# Altium PCB GPS.PcbDoc
Units mm, origin at the board's own origin, x right, y up, seen from the top; angles counter-clockwise.
Board outline 48 x 35 mm, 4 copper layers (Top Copper, GND, VCC, Bottom Copper), stack 1.57 mm thick; 9 components, 7 nets, 39 pads, 13 vias.
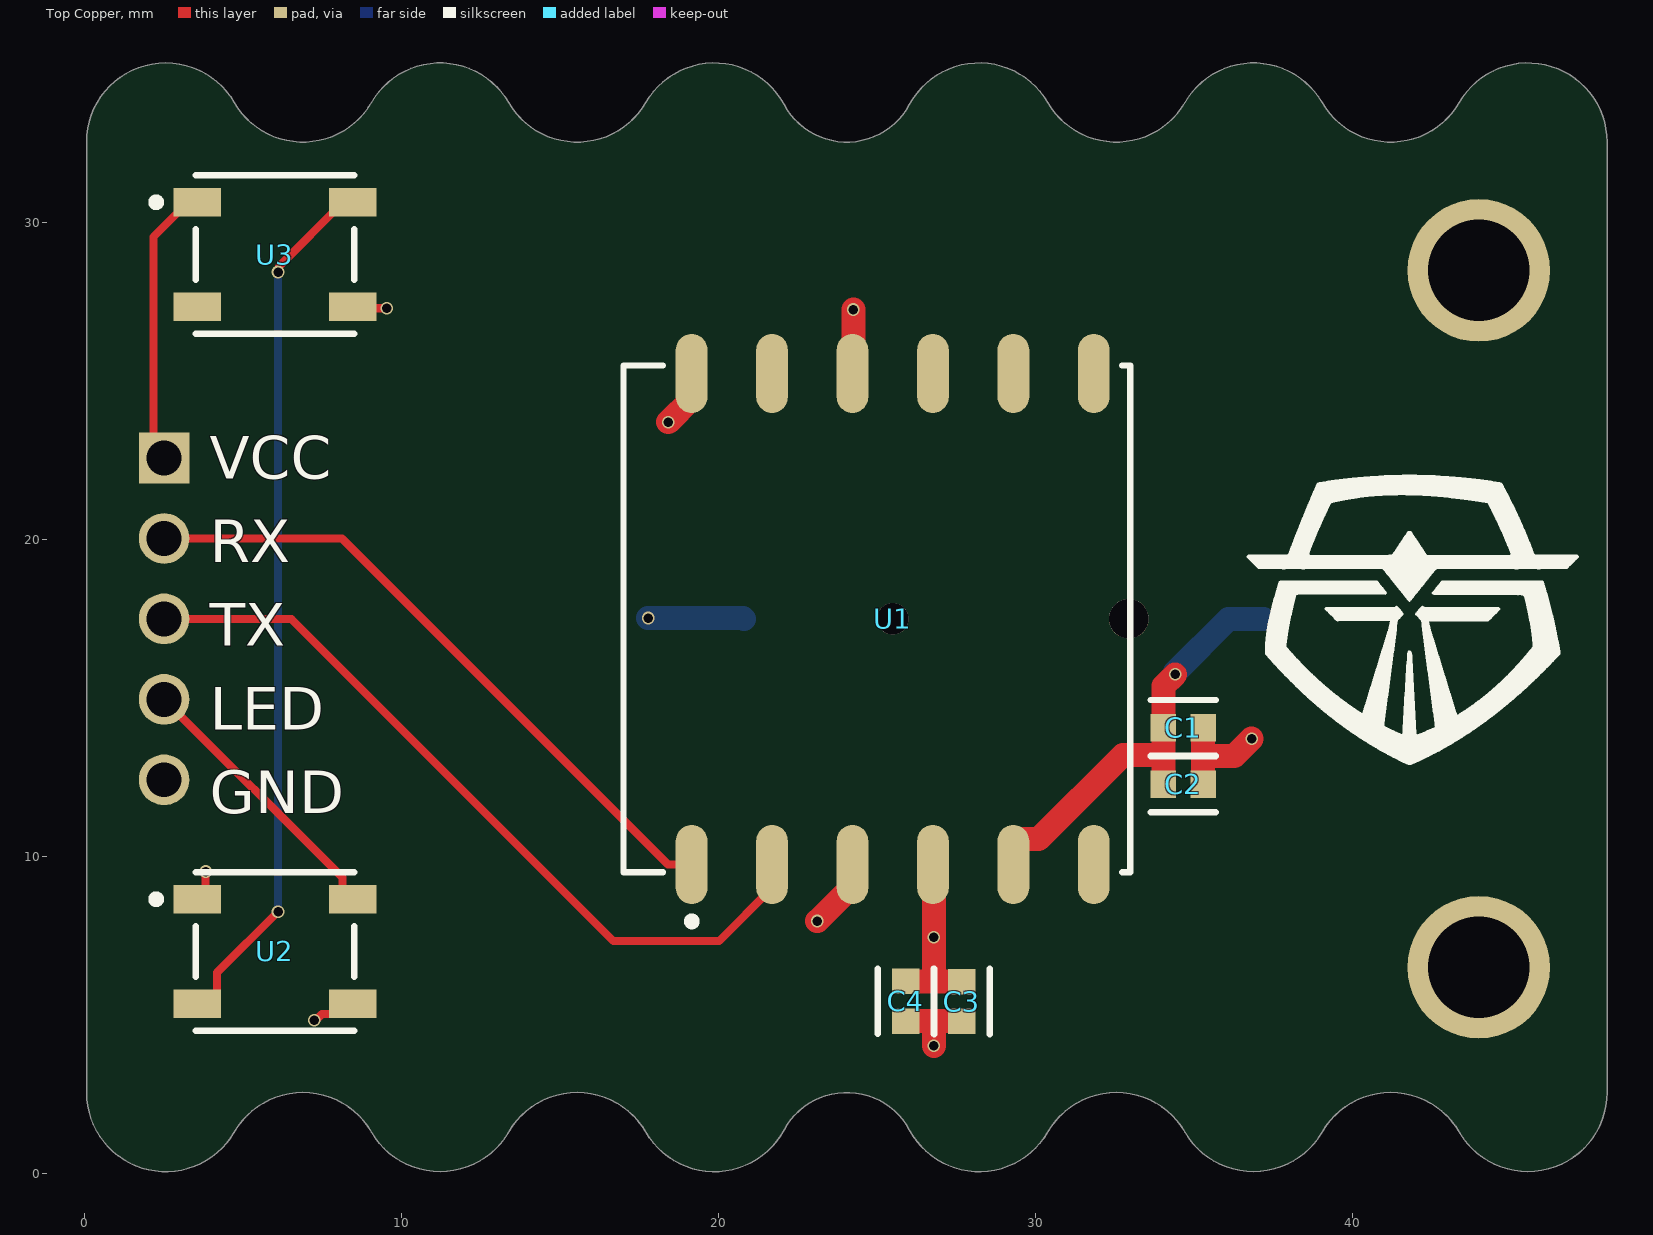
[diagram p0: Top Copper view]
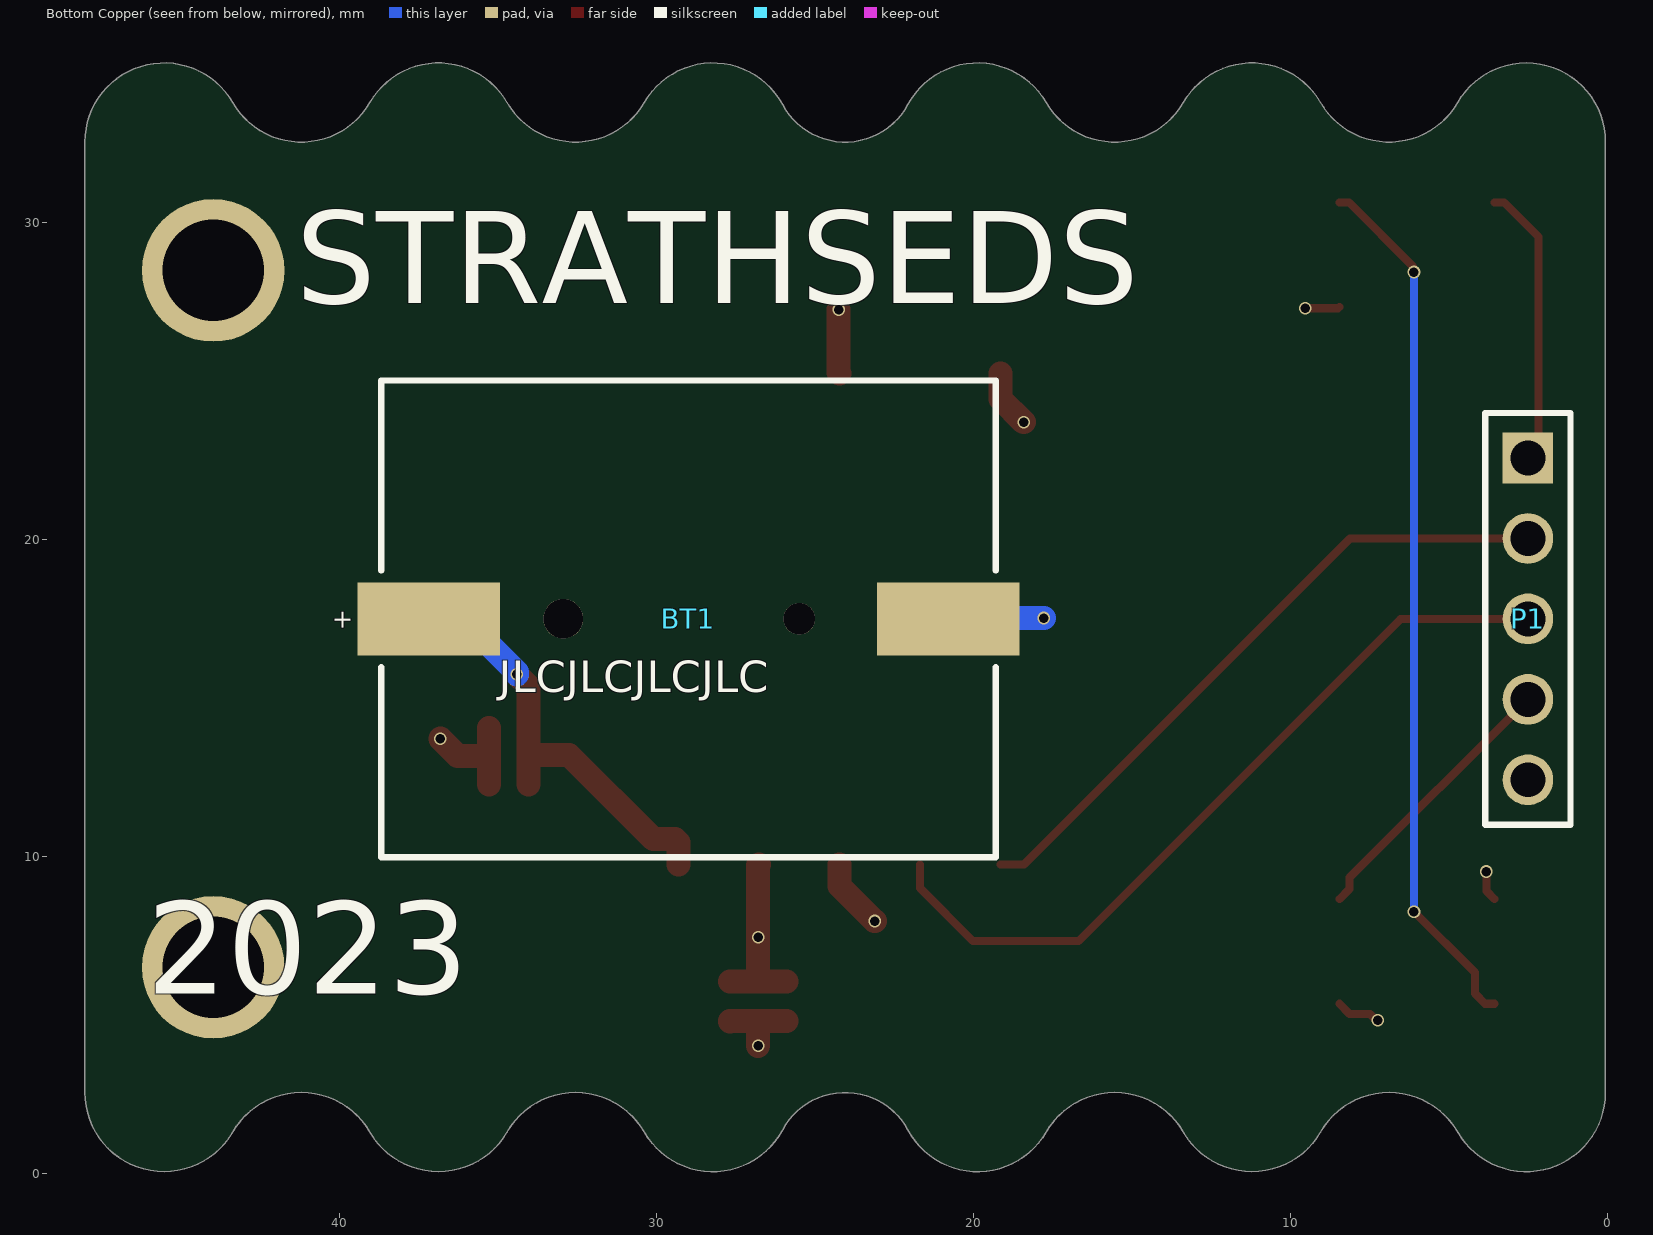
[diagram p1: Bottom Copper view, seen from below]
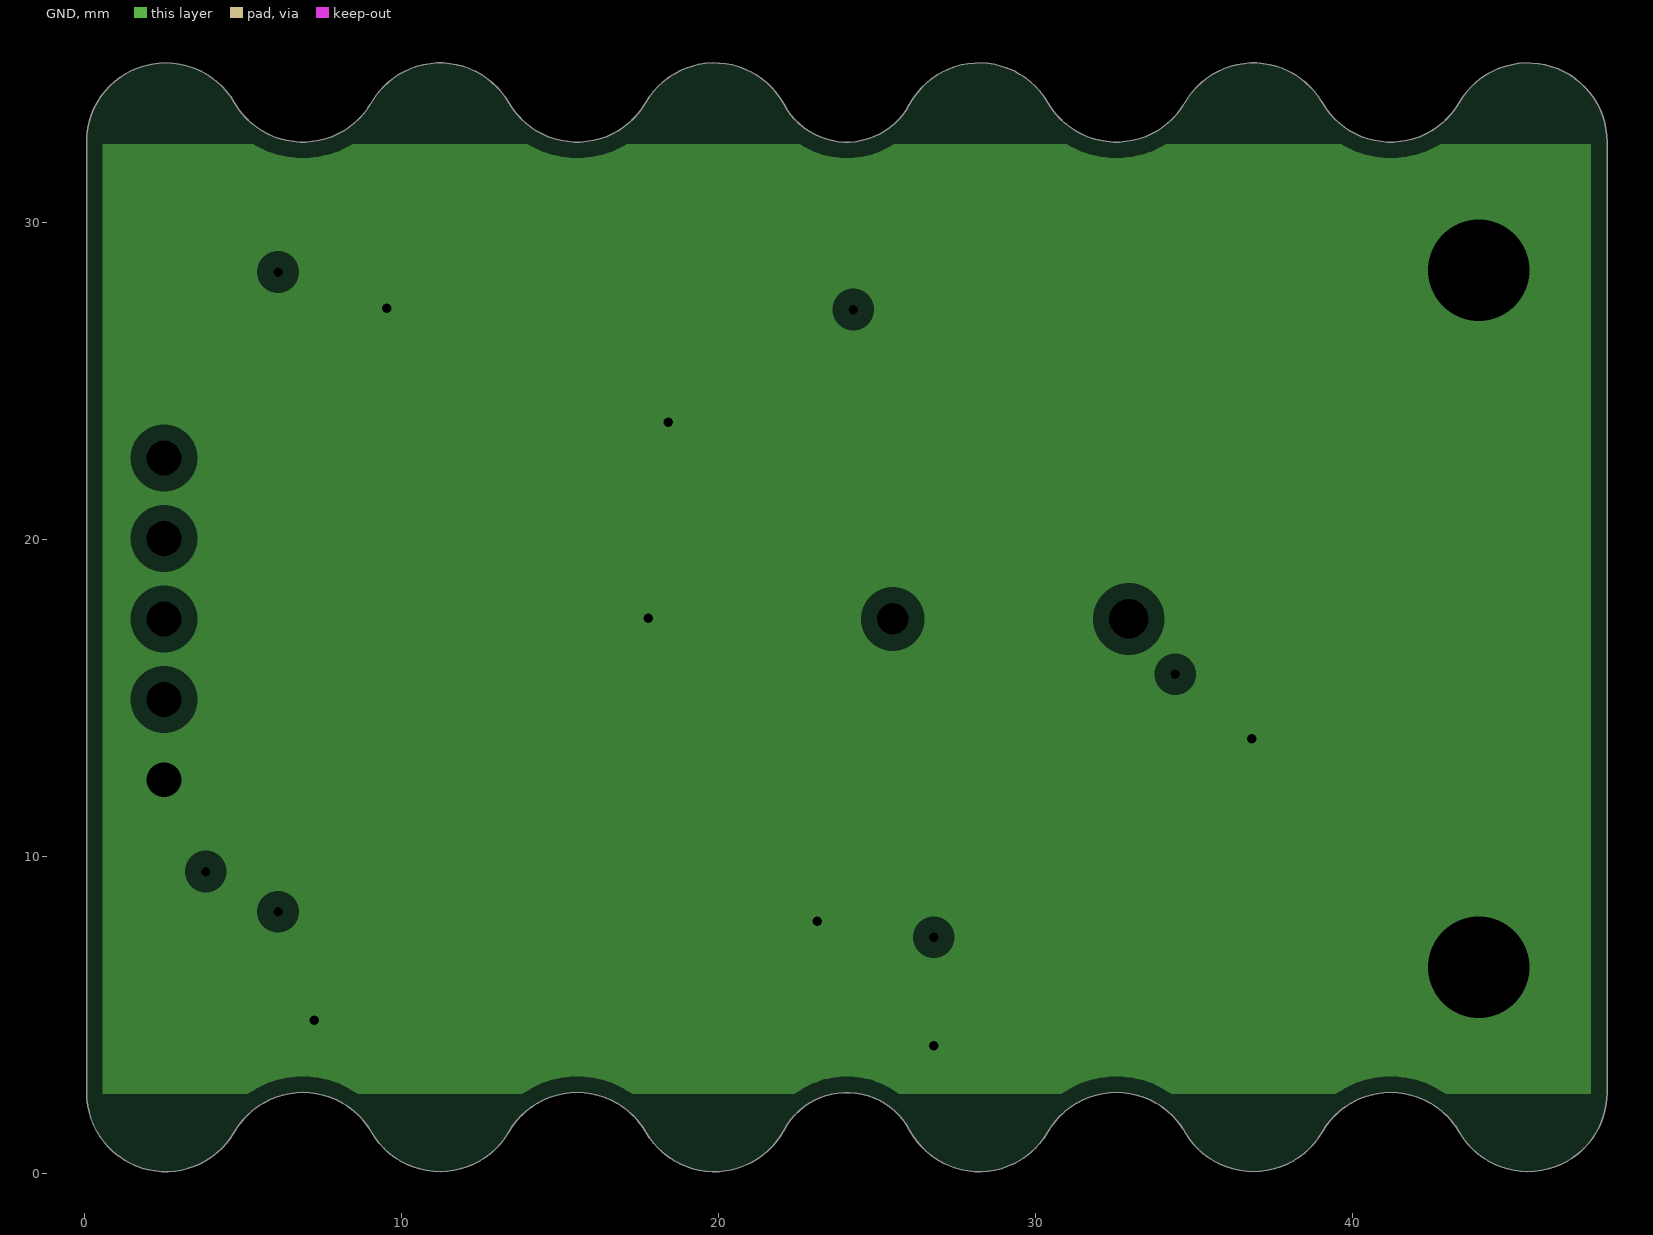
[diagram p2: GND, clearances drawn from the general rule]
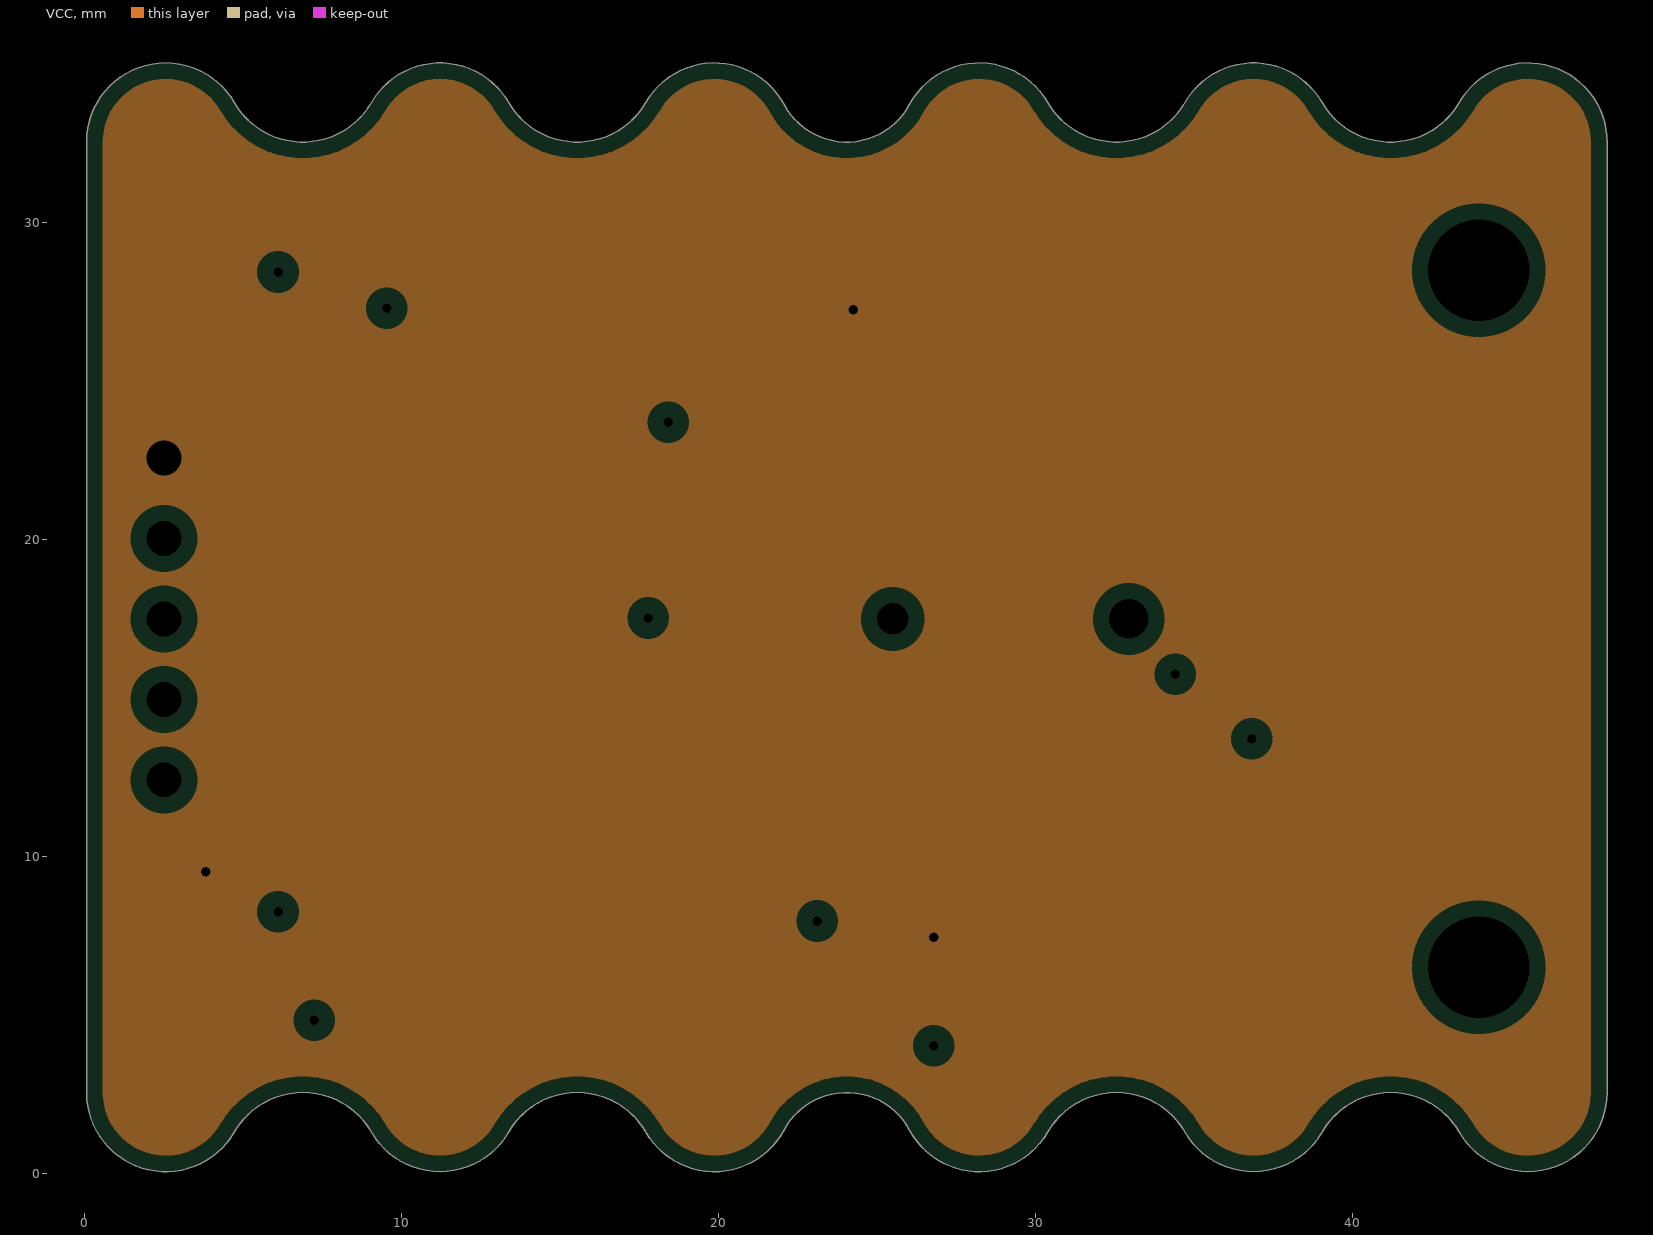
[diagram p3: VCC, clearances drawn from the general rule]
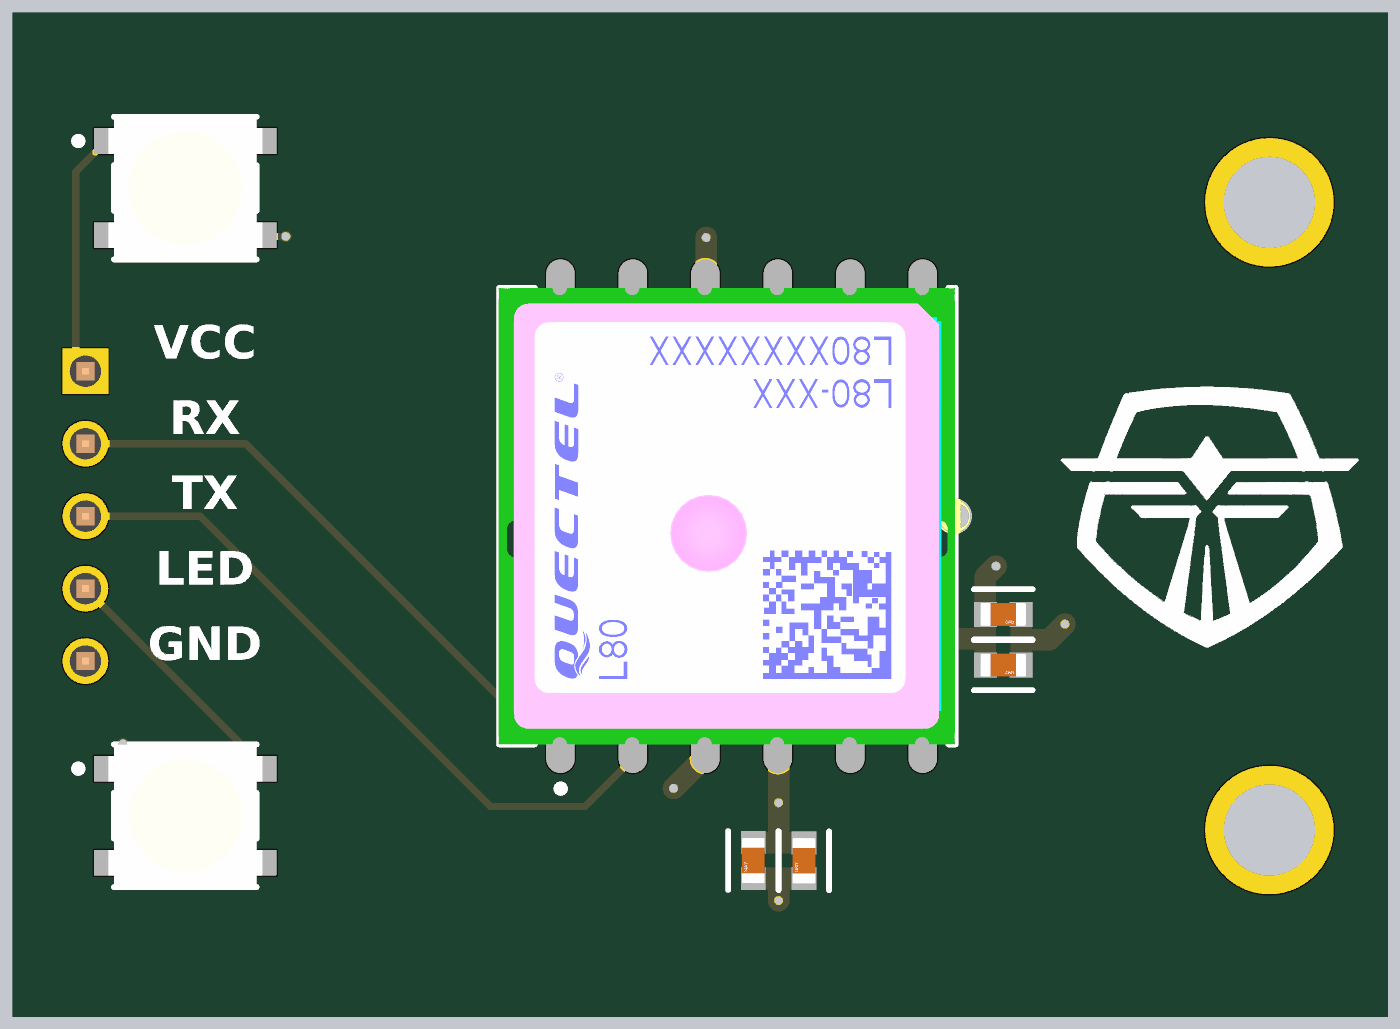
[diagram p4: 3D render of the assembled board from above, using the file's embedded part models]

## Layer stack, top to bottom
Top Mask: solder mask 0.015, Solder Resist, Dk 3.8
Top Copper: signal copper 0.035
Dielectric 1: prepreg 0.2, 7628, Dk 4.6
GND: plane copper 0.0175, net GND
Core: core 1.065, FR-4, Dk 4.5
VCC: plane copper 0.0175, net VCC
Dielectric 2: prepreg 0.2, 7628, Dk 4.6
Bottom Copper: signal copper 0.035
Bottom Mask: solder mask 0.015, Solder Resist, Dk 3.8

## Board outline
9.045,1.3 ccw(c11.21,2.55) 13.375,1.3 cw(c15.54,0.05) 17.705,1.3 ccw(c19.871,2.55) 22.073,1.368 cw(c24.05,0.306) 26.027,1.368 ccw(c28.229,2.55) 30.395,1.3 cw(c32.56,0.05) 34.725,1.3 ccw(c36.89,2.55) 39.055,1.3 cw(c41.22,0.05) 43.385,1.3 ccw(c45.55,2.55) 48.05,2.55 48.05,32.55 ccw(c45.55,32.55) 43.385,33.8 cw(c41.22,35.05) 39.055,33.8 ccw(c36.89,32.55) 34.725,33.8 cw(c32.56,35.05) 30.395,33.8 ccw(c28.229,32.55) 26.027,33.732 cw(c24.05,34.794) 22.073,33.732 ccw(c19.871,32.55) 17.705,33.8 cw(c15.54,35.05) 13.375,33.8 ccw(c11.21,32.55) 9.045,33.8 cw(c6.88,35.05) 4.715,33.8 ccw(c2.55,32.55) 0.05,32.55 0.05,2.55 ccw(c2.55,2.55) 4.715,1.3 cw(c6.88,0.05)

## Design rules (kind name [scope] priority, off if disabled: settings)
Clearance [All] p1: gap=0.254 ignorepadtopadclearanceinfootprint=TRUE except(0: Arc-Hole Track-Hole SMDPad-Hole THPad-Hole Via-Hole Fill-Hole Poly-Hole Region-Hole Text-Hole; 0.09: Arc-Arc Arc-Track Track-Track; 0.127: SMDPad-SMDPad; 0.2: Arc-SMDPad Track-SMDPad; 0.33: Arc-THPad Track-THPad; 0.5: THPad-THPad)
DiffPairsRouting [All] p1: maxlimit=0.254 minlimit=0.09 mostfreqgap=0.254 toplayer_minwidth=0.09 toplayer_maxwidth=0.381 toplayer_prefwidth=0.254 bottomlayer_minwidth=0.09 bottomlayer_maxwidth=0.381 bottomlayer_prefwidth=0.254 maxuncoupledlength=12.7
HoleSize [All] p1: absolutevalues=TRUE maxlimit=6.3 minlimit=0.2 maxpercent=80.000 minpercent=20.000
HoleToHoleClearance [All] p1: gap=0.5 allowstackedmicrovias=TRUE
MinimumSolderMaskSliver [All] p1: minsoldermaskwidth=0.1
PlaneClearance [All] p1: clearance=0.508
PlaneConnect [All] p1: pad.planeconnectstyle=Relief pad.reliefexpansion=0.254 pad.reliefentries=4 pad.reliefconductorwidth=0.254 pad.reliefairgap=0.254 via.planeconnectstyle=Direct via.reliefexpansion=0.508 via.reliefentries=4 via.reliefconductorwidth=0.254 via.reliefairgap=0.254
PolygonConnect [All] p1: thpad.connectstyle=Relief thpad.reliefconductorwidth=0.254 thpad.reliefentries=4 thpad.polygonreliefangle="90 Angle" thpad.airgapwidth=0.254 smdpad.connectstyle=Direct smdpad.reliefconductorwidth=0.254 smdpad.reliefentries=4 smdpad.polygonreliefangle="90 Angle" smdpad.airgapwidth=0.254 via.connectstyle=Direct via.reliefconductorwidth=0.254 via.reliefentries=4 via.polygonreliefangle="90 Angle" via.airgapwidth=0.254
RoutingVias [All] p1: holewidth=0.3 width=0.4 viastyle="Through Hole" minholewidth=0.3 minwidth=0.4 maxholewidth=0.711 maxwidth=1.27
SilkToSilkClearance [All] p1: silktosilkclearance=0.09
SilkToSolderMaskClearance [IsPad] p1: minsilkscreentomaskgap=0.15 clearancetoexposedcopper=TRUE
SolderMaskExpansion SolderMaskExpansion_via [IsVia] p1: expansion=0.102 istentingtop=TRUE
SolderMaskExpansion [All] p2: expansion=0.05 istentingtop=FALSE
Width [All] p1: maxlimit=0.76 minlimit=0.09 preferedwidth=0.254
22 further rules are at their usual default settings.

## Components (designator, comment, footprint, x,y, rotation, side; value= is the part's Value field where it differs from the comment)
BT1 "S8411-45R" FP-S8411-45R-MFG 29,17.5 r270 bottom
C1 "Generic-Capacitor" FP-0603-L_1_6_0_15-W_0_81-IPC_C 34.671,14.057 r0 top value=4.7uF
C2 "Generic-Capacitor" FP-0603-L_1_6_0_15-W_0_81-IPC_C 34.671,12.279 r0 top value=100nF
C3 "Generic-Capacitor" FP-0603-L_1_6_0_15-W_0_81-IPC_C 27.686,5.421 r270 top value=10uF
C4 "Generic-Capacitor" FP-0603-L_1_6_0_15-W_0_81-IPC_C 25.908,5.43 r270 top value=100nF
P1 "Male header 1x5 2.54mm" 61300511121 2.5,17.5 r270 bottom
U1 "L80-M39" QUEC-L80-M39-12_V 25,17.5 r90 top
U2 "WS2812B" ADAI-WS2812B_V 6,7 r0 top
U3 "WS2812B" ADAI-WS2812B_V 6,29 r0 top

## Footprints (in the part's own frame and the unit in brackets; to place one, negate y for a bottom-side part, rotate by r counter-clockwise, add the part's x,y. Pads: shape width x height; smd on the part's side, far side on the other; paste and mask are expansions set on the pad)
61300511121 [mm] "Pin Header, pitch 2.54 mm, THT, Vertical, single row, 5p"
  rect 1.6x1.6 hole 1.1: 1(-5.08,0)
  round 1.6 hole 1.1: 2(-2.54,0) 3(0,0) 4(2.54,0) 5(5.08,0)
  silkscreen extent -6.5,-1.35 6.5,1.35, body extent -6.35,-1.27 6.35,1.27, height 8.57
ADAI-WS2812B_V [mm] "SMD, 4-Leads, Body 5x5mm, Pitch 3.3mm"
  rect 1.5x0.9 smd: 1(-2.45,1.65) 2(-2.45,-1.65) 3(2.45,-1.65) 4(2.45,1.65)
  silkscreen extent -3.87,-2.5 2.5,2.5, body extent -2.7,-2.5 2.7,2.5, height 1.69
FP-0603-L_1_6_0_15-W_0_81-IPC_C [mm]
  rect 0.807x0.868 smd paste+0 mask+0: 1(-0.626,0) 2(0.626,0)
  silkscreen extent -1.03,-0.88 1.03,0.88, body extent -1.13,-0.58 1.13,0.58, height 0.25
FP-S8411-45R-MFG [mm]
  rect 2.3x4.5 smd paste+0 mask+0: 1(0,8.2) 2(0,-8.2)
  round 1.25 hole 1.25 unplated paste-1000 mask+0: ""(0,-3.95)
  round 1 hole 1 unplated paste-1000 mask+0: ""(0,3.5)
  silkscreen extent -7.52,-9.7 7.52,9.7, body extent -7.37,-9.6 7.37,9.6, height 4.45
QUEC-L80-M39-12_V [mm] "SMD, 12-Leads, Body 16x16mm, Pitch 2.54mm"
  rrect100% 2.5x1 smd: 1(-7.75,5.85) 2(-7.75,3.31) 3(-7.75,0.77) 4(-7.75,-1.77) 5(-7.75,-4.31) 6(-7.75,-6.85) 7(7.75,-6.85) 8(7.75,-4.31) 9(7.75,-1.77) 10(7.75,0.77) 11(7.75,3.31) 12(7.75,5.85)
  silkscreen extent -9.67,-8 8,8, body extent -8,-7.98 8,8.03, height 6.96

## Part data
BT1: library part CMP-002-00079-1, "EZ-Coin Cell Battery Retainer, Horizontal SMT, for CR1220 Coin Cell Batteries"
C1: library part CMP-001-00088-2, "Generic 0603 Capacitor", Case Code (Imperial)=0603, Dielectric=X7R, LCSC Part #=C19666, Tolerance=10%, Voltage Rating=50V, ESR=0R
C2 C4: library part CMP-001-00088-2, "Generic 0603 Capacitor", Case Code (Imperial)=0603, Dielectric=X7R, LCSC Part #=C14663, Tolerance=10%, Voltage Rating=50V, ESR=0R
C3: library part CMP-001-00088-2, "Generic 0603 Capacitor", Case Code (Imperial)=0603, Dielectric=X7R, LCSC Part #=C96446, Tolerance=10%, Voltage Rating=50V, ESR=0R
P1: library part CMP-002-00081-1, "THT Vertical Pin Header WR-PHD, Pitch 2.54 mm, Single Row, 5 pins"
U1: library part CMP-021-00008-3, "GPS Module 15, 0x15, 0x4, 0mm SMD w/Antenna 3, 0V"
U2 U3: library part CMP-007-00035-2, "Intelligent Control LED Integrated Light Source, 3.5 to 5.3 V, -25 to 80 degC, 4-Pin SMD, RoHS, Bulk", LCSC Part #=C4154882, Manufacturer="Adafruit Industries", Package Description="4-Pin Surface Mount Device, Body 5 x 5 mm, Pitch 3.3 mm", Case/Package=WS2812B, Datasheet URL=https://cdn-shop.adafruit.com/datasheets/WS2812B.pdf, Datasheet Version=May-13, Manufacturer URL=https://www.adafruit.com/, Mounting Technology=SM, Package Reference=WS2812B, RoHS Compliant=False

## Free pads (board coordinates)
  round 4.5 hole 3.2: M1(44,28.5) M2(44,6.5)

## Via types
v1: diameter 0.4, hole 0.3, Top Copper to Bottom Copper, tented both sides, 13 vias

## Nets (pads, with @x,y where several pads share a name; then routed paths per layer and width w, separated by ;. In a path a pad name is that pad's centre, name@x,y a point inside that pad or via, vN(x,y) a via of type N, cw(c..) or ccw(c..) an arc to the next point about the centre after c; other vN are vias at no path point)
GND: BT1.1 C1.2 C2.2 C3.2 C4.2 P1.5 pad.M1 pad.M2 U1.3 U1.12 U2.3 U3.3 | length 15.8
  Top Copper w0.254: v1(7.239,4.826) 7.279,4.826 7.48,5.027 8.127,5.027 U2.3 ; U3.3 8.495,27.305 v1(9.525,27.305)
  Top Copper w0.76: v1(18.415,23.709) 19.15,24.444 U1.12 ; v1(23.114,7.961) 23.126,7.961 24.23,9.065 U1.3 ; C4.2 25.913,4.8 26.797,4.8 ; v1(26.797,4.024) 26.797,4.8 ; C3.2 27.681,4.8 26.797,4.8 ; C2.2 35.297,13.168 ; C1.2 35.297,13.168 ; v1(36.83,13.716) 36.282,13.168 35.297,13.168
  Bottom Copper w0.76: v1(17.78,17.526) 20.774,17.526 BT1.1
GPS_RX: P1.2 U1.1 | length 20.9
  Top Copper w0.254: P1.2 8.114,20.04 18.404,9.75 U1.1
GPS_TX: P1.3 U1.2 | length 24.8
  Top Copper w0.254: P1.3 6.515,17.5 16.689,7.326 20.016,7.326 21.69,9 U1.2
GPS_V_BCKP: BT1.2 C1.1 C2.1 U1.5 | length 13.7
  Top Copper w0.76: U1.5 29.31,10.435 29.421,10.546 30.106,10.546 32.768,13.208 34.036,13.208 ; C2.1 C1.1 34.045,15.376 v1(34.417,15.748)
  Bottom Copper w0.76: v1(34.417,15.748) 34.417,15.817 36.1,17.5 BT1.2
NetU2_2: U2.2 U3.4 | length 27.7
  Top Copper w0.254: U2.2 3.85,5.35 4.173,5.673 4.173,6.332 v1(6.096,8.255) ; v1(6.096,28.448) 6.124,28.476 6.124,28.624 8.15,30.65 U3.4
  Bottom Copper w0.254: v1(6.096,8.255) v1(6.096,28.448)
USR_LED: P1.4 U2.4 | length 8.8
  Top Copper w0.254: P1.4 8.128,9.332 8.128,8.972 U2.4
VCC: C3.1 C4.1 P1.1 U1.4 U1.10 U2.1 U3.1 | length 17.5
  Top Copper w0.254: P1.1 2.159,22.921 2.159,29.559 3.25,30.65 U3.1 ; U2.1 3.81,8.91 v1(3.81,9.525)
  Top Copper w0.76: U1.10 24.257,25.277 v1(24.257,27.265) ; C4.1 25.913,6.051 26.797,6.051 ; U1.4 26.797,9.723 v1(26.797,7.453) 26.797,6.051 ; C3.1 27.681,6.051 26.797,6.051
pads on no net: BT1. U1.6 U1.7 U1.8 U1.9 U1.11 U3.2

## Polygon pours and split planes (outlines as drawn)
GND on GND (split plane): 186 vertices, not listed, extent 0.559,2.5 47.541,32.5
VCC on VCC (split plane): 650 vertices, not listed, extent 0.559,0.558 47.541,34.542

## Other copper
GND (plane layer: these items are gaps in the copper):
  region: 0,0 0,2.5 48,2.5 48,0
  region: 0,32.5 0,35 48,35 48,32.5

## Silkscreen, mask and mechanical layers (free items; w line width, h text height)
Top Overlay:
  drawing of 2 lines, arcs and shapes, not listed
  text "VCC" at 3.937,21.488 h2.3
  text "RX" at 3.937,18.846 h2.3
  text "TX" at 3.937,16.204 h2.3
  text "LED" at 3.937,13.562 h2.3
  text "GND" at 3.937,10.92 h2.3
Bottom Overlay:
  text "STRATHSEDS" at 41.402,26.5 h5
  text "JLCJLCJLCJLC" at 34.979,15.186 h1
  text "2023" at 46.101,4.699 h5
Mechanical 1:
  lines w0.1: 0.05,2.55 ccw(c2.55,2.55) 4.715,1.3 cw(c6.88,0.05) 9.045,1.3 ccw(c11.21,2.55) 13.375,1.3 cw(c15.54,0.05) 17.705,1.3 ccw(c19.871,2.55) 22.073,1.368 cw(c24.05,0.306) 26.027,1.368 ccw(c28.229,2.55) 30.395,1.3 cw(c32.56,0.05) 34.725,1.3 ccw(c36.89,2.55) 39.055,1.3 cw(c41.22,0.05) 43.385,1.3 ccw(c45.55,2.55) 48.05,2.55 48.05,32.55 ccw(c45.55,32.55) 43.385,33.8 cw(c41.22,35.05) 39.055,33.8 ccw(c36.89,32.55) 34.725,33.8 cw(c32.56,35.05) 30.395,33.8 ccw(c28.229,32.55) 26.027,33.732 cw(c24.05,34.794) 22.073,33.732 ccw(c19.871,32.55) 17.705,33.8 cw(c15.54,35.05) 13.375,33.8 ccw(c11.21,32.55) 9.045,33.8 cw(c6.88,35.05) 4.715,33.8 ccw(c2.55,32.55) 0.05,32.55
  lines w0.254: 10,2.5 40,2.5 40,32.5 10,32.5 10,2.5
Board Shape:
  the board outline again, w0.2

## Text inside footprints (layer, text, board x,y; h text height)
BT1: Bottom Overlay "+" at 40.375,17.8 h1 r90